# Altium PCB PCB_Organo_Prueba.PcbDoc (part 1 of 2)
Units mm, origin at the board's own origin, x right, y up, seen from the top; angles counter-clockwise.
Board outline 122.86 x 89.76 mm, 2 copper layers (Top Layer, Bottom Layer); 83 components, 115 nets, 396 pads, 122 vias.
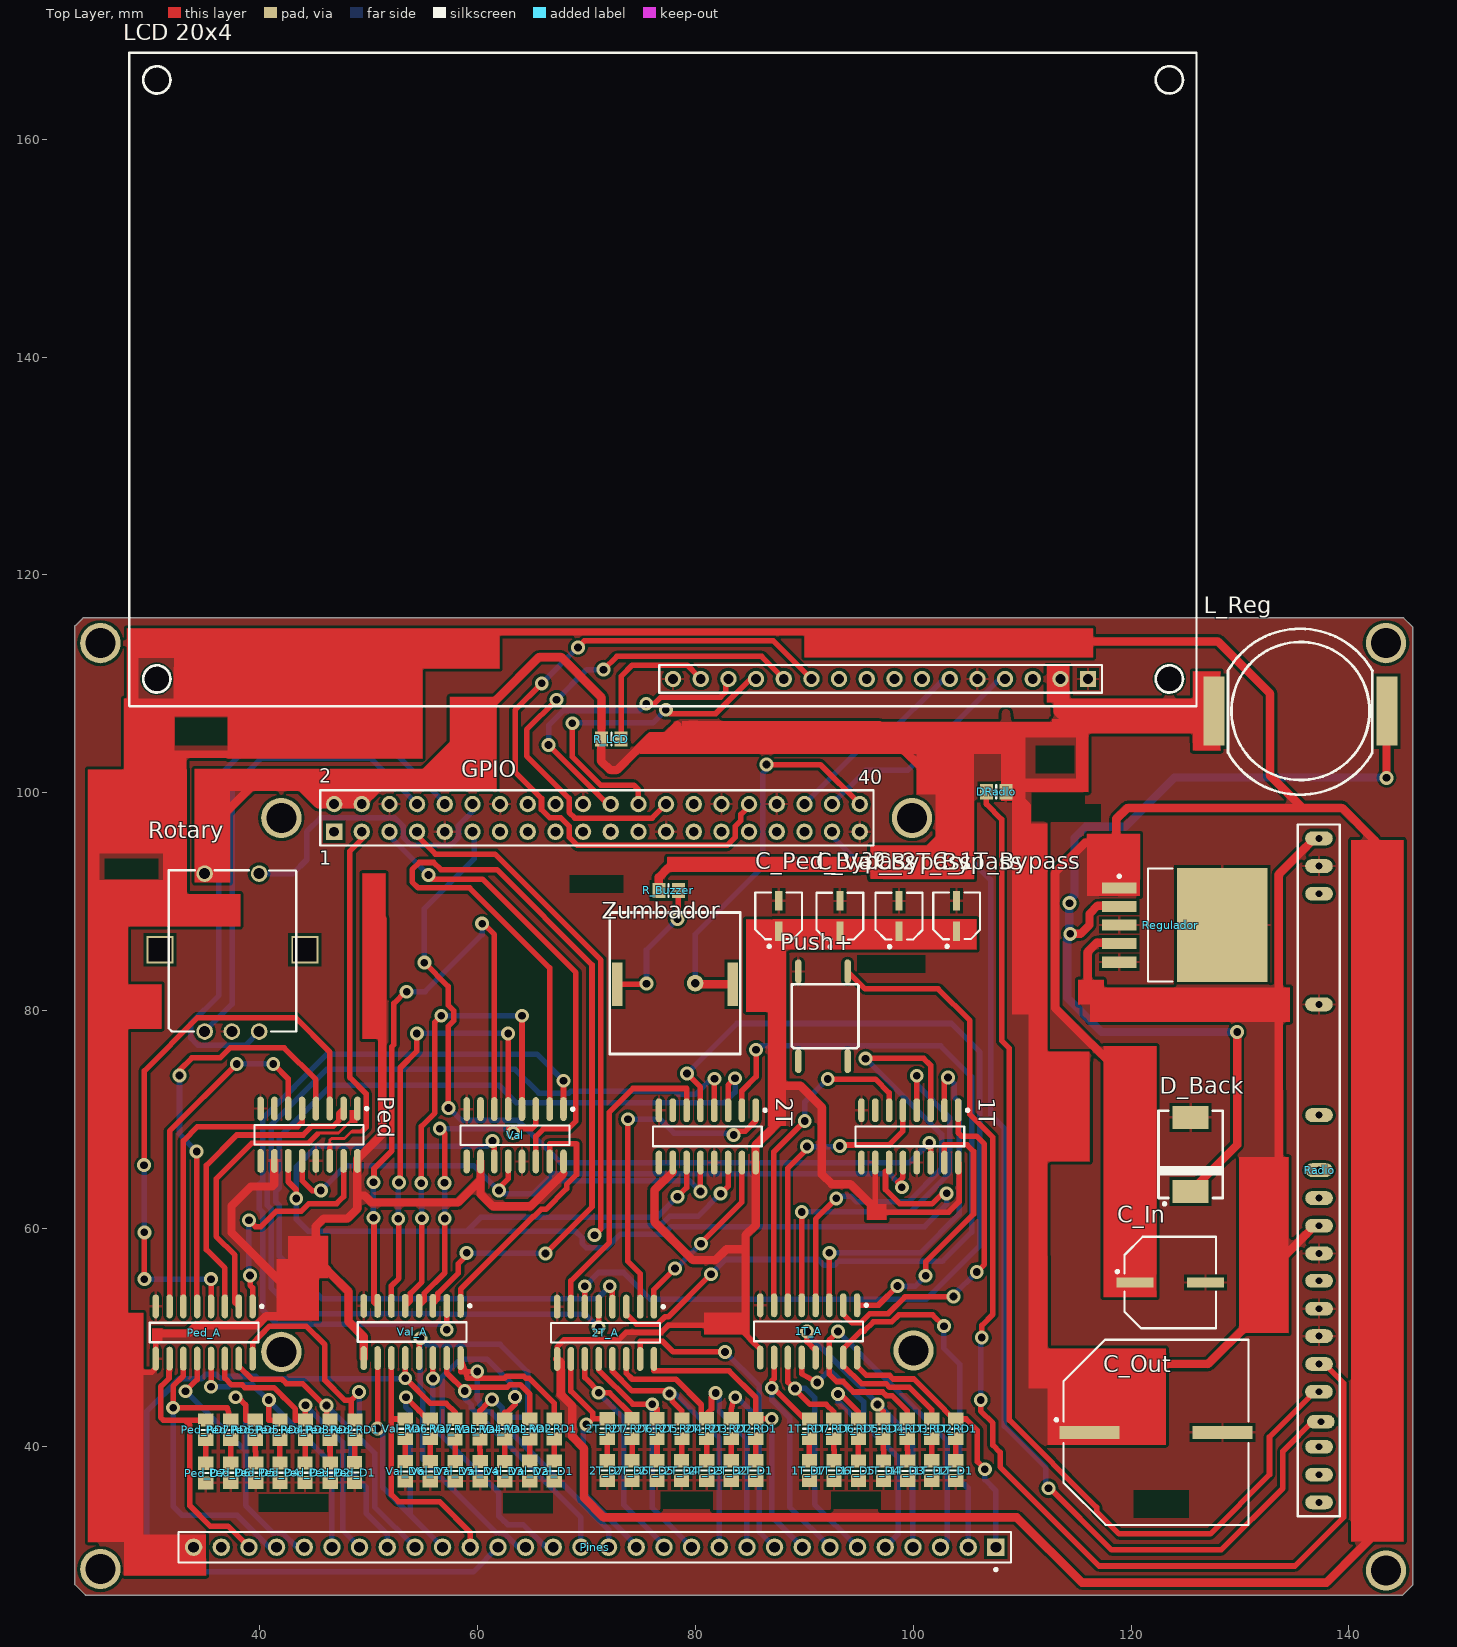
[diagram p0: Top Layer view]
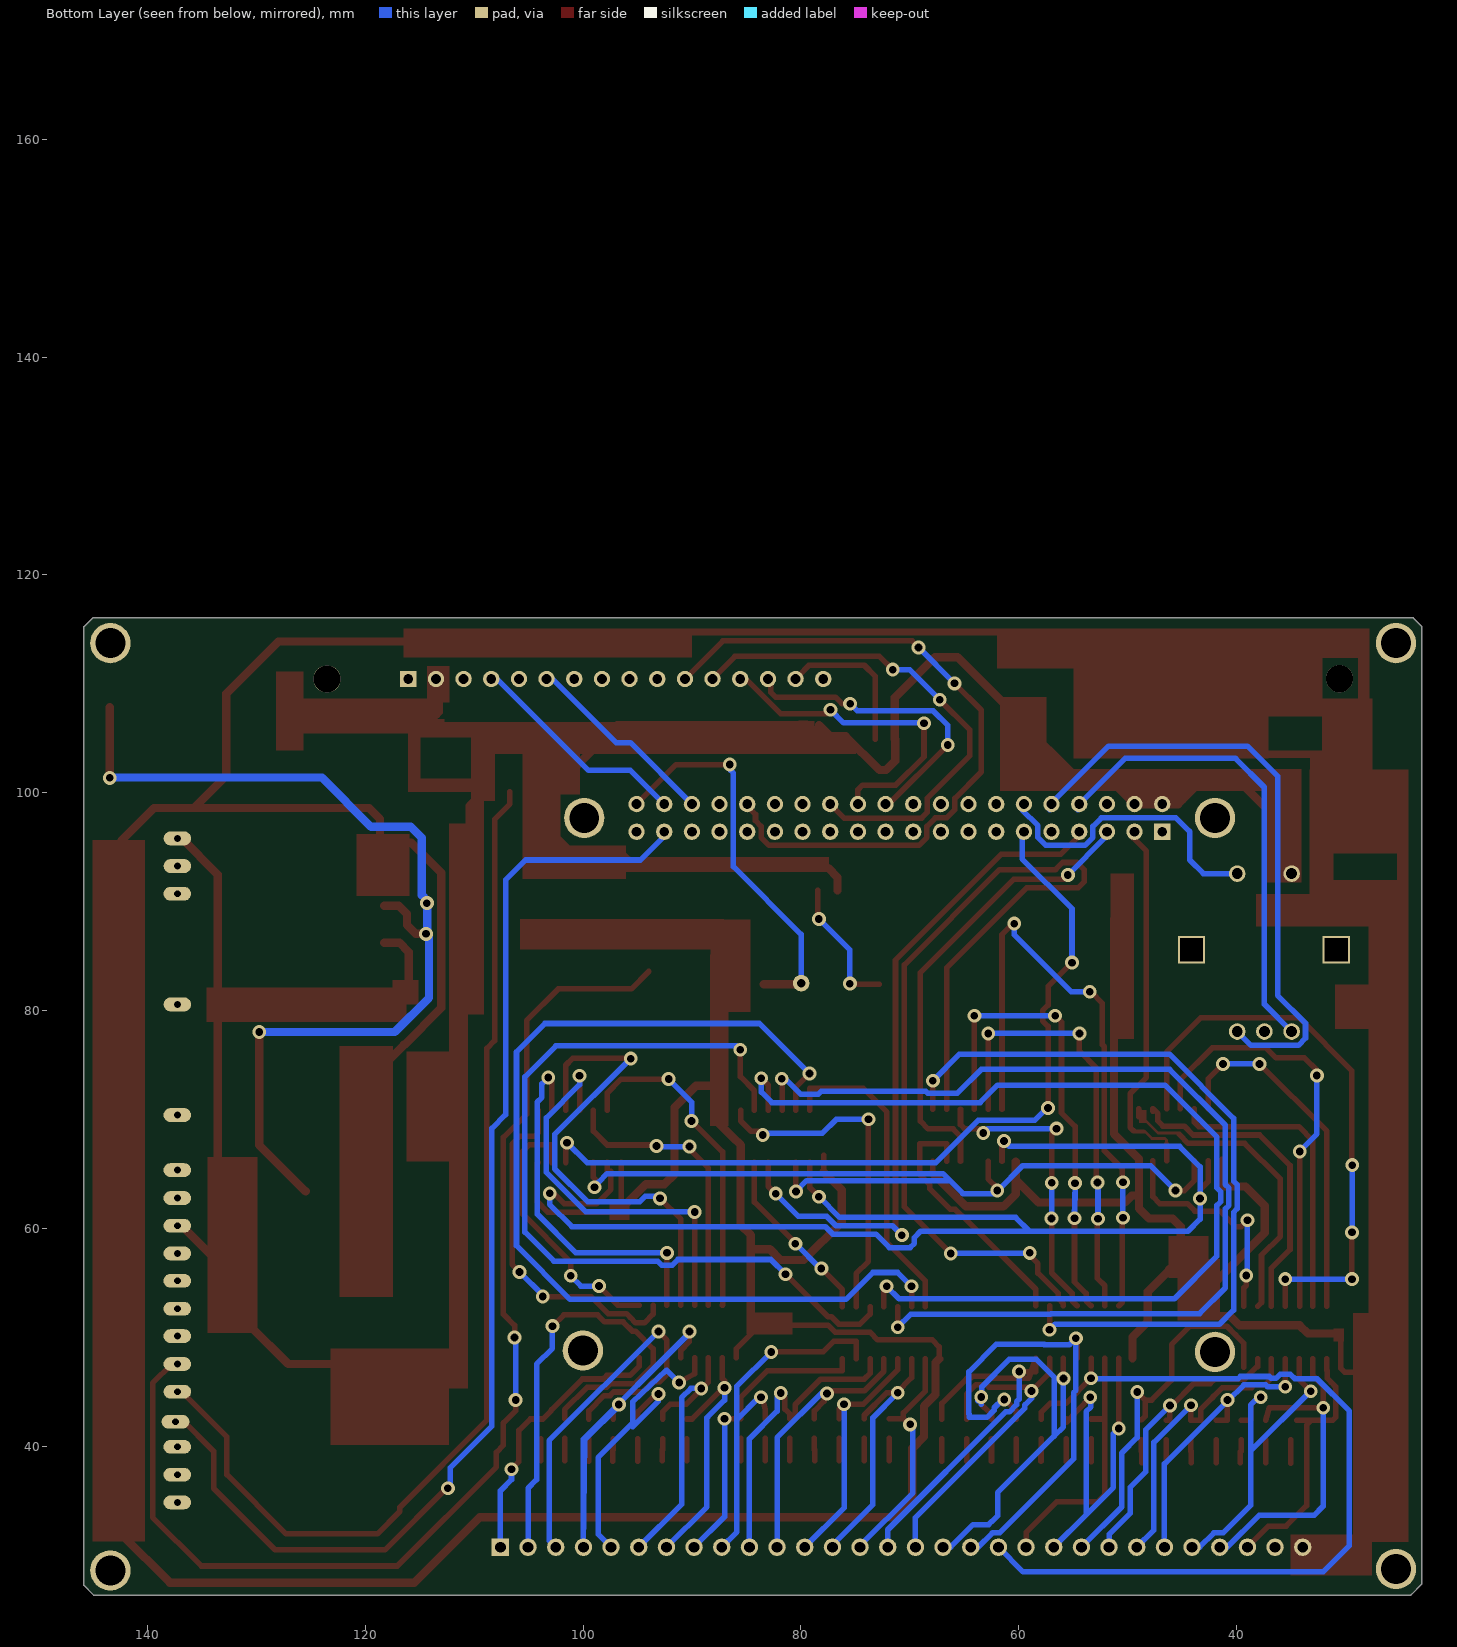
[diagram p1: Bottom Layer view, seen from below]

## Layer stack, top to bottom
Top Solder: solder mask 0.0102, Solder Resist, Dk 3.5
Top Layer: signal copper 0.0356
Dielectric 1: dielectric 0.32, FR-4, Dk 4.8
Bottom Layer: signal copper 0.0356
Bottom Solder: solder mask 0.0102, Solder Resist, Dk 3.5

## Board outline
23.044,27.309 cw(c23.115,27.38) 23.015,27.38 23.015,115.241 cw(c23.115,115.241) 23.044,115.312 23.78,116.047 cw(c23.851,115.976) 23.851,116.077 144.958,116.077 cw(c144.958,115.976) 145.029,116.047 145.842,115.235 cw(c145.771,115.164) 145.871,115.164 145.871,27.305 cw(c145.771,27.305) 145.842,27.234 144.953,26.345 cw(c144.882,26.416) 144.882,26.316 24.079,26.316 cw(c24.079,26.416) 23.988,26.375 cw(c24.028,26.467) 23.957,26.396

## Design rules (kind name [scope] priority, off if disabled: settings)
Clearance Clearance_1 [All] p1: gap=0.254
Clearance [All] p2: gap=0.254
ComponentClearance [All vs HasFootprint('Raspberry')] p1: gap=0.254 collisioncheckmode=3 verticalgap=0.254 showdistances=FALSE
PolygonConnect [All] p1: connectstyle=Relief reliefconductorwidth=0.254 reliefentries=4 polygonreliefangle="90 Angle" airgapwidth=0.254
RoutingVias [All] p1: holewidth=0.711 width=1.27 viastyle="Through Hole" minholewidth=0.711 minwidth=1.27 maxholewidth=0.711 maxwidth=1.27
SolderMaskExpansion [All] p1: expansion=0.102
Width [All] p1: maxlimit=2.54 minlimit=0.127 preferedwidth=0.508
28 further rules are at their usual default settings.

## Classes and differential pairs
component class Valvulas_Prueba: C_Val_Bypass Val Val_A Val_D1 Val_D2 Val_D3 Val_D4 Val_D5 Val_D6 Val_D7 Val_RD1 Val_RD2 Val_RD3 Val_RD4 Val_RD5 Val_RD6 Val_RD7
component class Pedal_Prueba: C_Ped_Bypass Ped Ped_A Ped_D1 Ped_D2 Ped_D3 Ped_D4 Ped_D5 Ped_D6 Ped_D7 Ped_RD1 Ped_RD2 Ped_RD3 Ped_RD4 Ped_RD5 Ped_RD6 Ped_RD7
component class GPIO_Raspberry_b+: C_In C_Out D_Back GPIO L_Reg Regulador
component class Externos_prueba: DRadio "LCD 20x4" Pines Push+ R_Buzzer R_LCD Radio Rotary Zumbador
component class 2Teclado_Prueba: 2T 2T_A 2T_D1 2T_D2 2T_D3 2T_D4 2T_D5 2T_D6 2T_D7 2T_RD1 2T_RD2 2T_RD3 2T_RD4 2T_RD5 2T_RD6 2T_RD7 C_2T_Bypass
component class 1Teclado_Prueba: 1T 1T_A 1T_D1 1T_D2 1T_D3 1T_D4 1T_D5 1T_D6 1T_D7 1T_RD1 1T_RD2 1T_RD3 1T_RD4 1T_RD5 1T_RD6 1T_RD7 C_1T_Bypass

## Components (designator, comment, footprint, x,y, rotation, side; value= is the part's Value field where it differs from the comment)
1T "SN74HC595D" SN74HC595D 99.695,68.453 r270 top
1T_A "ULN2003D" ULN2003AI 90.399,50.546 r270 top
1T_D1 "LED_SMD" LED_0805 103.911,37.77 r270 top
1T_D2 "LED_SMD" LED_0805 101.702,37.77 r270 top
1T_D3 "LED_SMD" LED_0805 99.492,37.744 r270 top
1T_D4 "LED_SMD" LED_0805 97.282,37.744 r270 top
1T_D5 "LED_SMD" LED_0805 94.971,37.744 r270 top
1T_D6 "LED_SMD" LED_0805 92.735,37.77 r270 top
1T_D7 "LED_SMD" LED_0805 90.475,37.77 r270 top
1T_RD1 "Res Chip 0805" Resistencia_0805_N 103.911,41.605 r270 top
1T_RD2 "Res Chip 0805" Resistencia_0805_N 101.702,41.62 r270 top
1T_RD3 "Res Chip 0805" Resistencia_0805_N 99.466,41.605 r270 top
1T_RD4 "Res Chip 0805" Resistencia_0805_N 97.231,41.605 r270 top
1T_RD5 "Res Chip 0805" Resistencia_0805_N 94.971,41.605 r270 top
1T_RD6 "Res Chip 0805" Resistencia_0805_N 92.71,41.605 r270 top
1T_RD7 "Res Chip 0805" Resistencia_0805_N 90.475,41.605 r270 top
2T "SN74HC595D" SN74HC595D 81.102,68.453 r270 top
2T_A "ULN2003D" ULN2003AI 71.755,50.419 r270 top
2T_D1 "LED_SMD" LED_0805 85.547,37.77 r270 top
2T_D2 "LED_SMD" LED_0805 83.287,37.77 r270 top
2T_D3 "LED_SMD" LED_0805 81.051,37.77 r270 top
2T_D4 "LED_SMD" LED_0805 78.74,37.77 r270 top
2T_D5 "LED_SMD" LED_0805 76.479,37.77 r270 top
2T_D6 "LED_SMD" LED_0805 74.193,37.77 r270 top
2T_D7 "LED_SMD" LED_0805 71.907,37.77 r270 top
2T_RD1 "Res Chip 0805" Resistencia_0805_N 85.547,41.631 r270 top
2T_RD2 "Res Chip 0805" Resistencia_0805_N 83.287,41.631 r270 top
2T_RD3 "Res Chip 0805" Resistencia_0805_N 81.026,41.631 r270 top
2T_RD4 "Res Chip 0805" Resistencia_0805_N 78.765,41.62 r270 top
2T_RD5 "Res Chip 0805" Resistencia_0805_N 76.479,41.631 r270 top
2T_RD6 "Res Chip 0805" Resistencia_0805_N 74.193,41.631 r270 top
2T_RD7 "Res Chip 0805" Resistencia_0805_N 71.907,41.631 r270 top
C_1T_Bypass "Panasonic 1uF" "Panasonic B Size" 103.988,88.697 r90 top
C_2T_Bypass "Panasonic 1uF" "Panasonic B Size" 98.704,88.671 r90 top
C_In "Panasonic 100uF" "Panasonic F Size" 123.596,55.042 r0 top
C_Out "Panasonic 1000uF" "Panasonic J16 Size" 122.3,41.282 r0 top
C_Ped_Bypass "Panasonic 1uF" "Panasonic B Size" 87.655,88.697 r90 top
C_Val_Bypass "Panasonic 1uF" "Panasonic B Size" 93.269,88.671 r90 top
D_Back "MURS320T3G" DO-214AB 125.476,66.802 r90 top
DRadio "LED_SMD" LED_0805 107.62,100.101 r180 top
GPIO "Raspberry b+" Raspberry 70.968,97.688 r0 top
L_Reg "DO-5040H-104ML_" "DO-5040H 15uH-1400uH" 135.56,107.493 r0 top
"LCD 20x4" "LCD 20x4" "LCD FORDATA 20x4" 79.756,136.373 r180 top
Ped "SN74HC595D" SN74HC595D 44.526,68.605 r270 top
Ped_A "ULN2003D" ULN2003AI 34.9,50.444 r270 top
Ped_D1 "LED_SMD" LED_0805 48.717,37.592 r270 top
Ped_D2 "LED_SMD" LED_0805 46.482,37.567 r270 top
Ped_D3 "LED_SMD" LED_0805 44.171,37.567 r270 top
Ped_D4 "LED_SMD" LED_0805 41.859,37.567 r270 top
Ped_D5 "LED_SMD" LED_0805 39.649,37.567 r270 top
Ped_D6 "LED_SMD" LED_0805 37.338,37.567 r270 top
Ped_D7 "LED_SMD" LED_0805 35.052,37.541 r270 top
Ped_RD1 "Res Chip 0805" Resistencia_0805_N 48.743,41.518 r270 top
Ped_RD2 "Res Chip 0805" Resistencia_0805_N 46.457,41.504 r270 top
Ped_RD3 "Res Chip 0805" Resistencia_0805_N 44.196,41.504 r270 top
Ped_RD4 "Res Chip 0805" Resistencia_0805_N 41.859,41.504 r270 top
Ped_RD5 "Res Chip 0805" Resistencia_0805_N 39.599,41.504 r270 top
Ped_RD6 "Res Chip 0805" Resistencia_0805_N 37.338,41.504 r270 top
Ped_RD7 "Res Chip 0805" Resistencia_0805_N 35.052,41.504 r270 top
Pines "Header 30x1" "Header 1X30" 107.594,30.734 r180 top
Push+ "Pulsador" Pulsador 90.526,86.741 r270 top
R_Buzzer "Res Chip 0805" Resistencia_0805_N 77.546,91.034 r0 top
R_LCD "Res Chip 0805" Resistencia_0805_N 72.288,104.927 r180 top
Radio "HIRK-433A RADIO MODULE" "HIRK-433A Radio Module" 146.456,65.329 r0 top
Regulador "LM2576HVSX-5.0/NOPB" TS5B_N_ 124.917,87.859 r0 top
Rotary "Rotary Encoder" RotaryPCB 34.95,78.08 r0 top
Val "SN74HC595D" SN74HC595D 63.449,68.555 r270 top
Val_A "ULN2003D" ULN2003AI 54,50.495 r270 top
Val_D1 "LED_SMD" LED_0805 67.056,37.73 r270 top
Val_D2 "LED_SMD" LED_0805 64.795,37.73 r270 top
Val_D3 "LED_SMD" LED_0805 62.509,37.719 r270 top
Val_D4 "LED_SMD" LED_0805 60.249,37.719 r270 top
Val_D5 "LED_SMD" LED_0805 57.963,37.719 r270 top
Val_D6 "LED_SMD" LED_0805 53.365,37.694 r270 top
Val_D7 "LED_SMD" LED_0805 55.651,37.694 r270 top
Val_RD1 "Res Chip 0805" Resistencia_0805_N 67.056,41.591 r270 top
Val_RD2 "Res Chip 0805" Resistencia_0805_N 64.795,41.591 r270 top
Val_RD3 "Res Chip 0805" Resistencia_0805_N 62.509,41.58 r270 top
Val_RD4 "Res Chip 0805" Resistencia_0805_N 60.223,41.58 r270 top
Val_RD5 "Res Chip 0805" Resistencia_0805_N 57.937,41.58 r270 top
Val_RD6 "Res Chip 0805" Resistencia_0805_N 53.365,41.605 r270 top
Val_RD7 "Res Chip 0805" Resistencia_0805_N 55.651,41.605 r270 top
Zumbador "Buzzer" Buzzer 78.232,83.21 r0 top

## Footprints (in the part's own frame and the unit in brackets; to place one, negate y for a bottom-side part, rotate by r counter-clockwise, add the part's x,y. Pads: shape width x height; smd on the part's side, far side on the other; paste and mask are expansions set on the pad)
Buzzer [mm]
  rect 1x4 smd: 1(5.2,-0.8) 2(-5.4,-0.8)
  silkscreen extent -6.1,-7.2 5.9,5.8, body extent -6.05,-6.68 5.95,5.32, height 3.07
DO-214AB [mm]
  rect 2.1x3.3 smd: A(3.4,0) K(-3.4,0)
  silkscreen extent -4.67,-2.95 4,2.95, body extent -3.97,-2.95 3.97,2.95, height 2.27
"DO-5040H 15uH-1400uH" [mm] "Bobina coilcraft SMD DO-5040H válido para 15uH hasta 1400uH"
  rect 1.9x6.35 smd: 1(-7.95,0) 2(7.95,0)
  silkscreen extent -6.66,-7.67 6.6,7.57, body extent -9.14,-7.37 9.4,7.37, height 11.97
"Header 1X30" [mm]
  rect 1.6x1.6 hole 0.99: 1(0,0)
  round 1.6 hole 0.99: 2(2.54,0) 3(5.08,0) 4(7.62,0) 5(10.16,0) 6(12.7,0) 7(15.24,0) 8(17.78,0) 9(20.32,0) 10(22.86,0) 11(25.4,0) 12(27.94,0) 13(30.48,0) 14(33.02,0) 15(35.56,0) 16(38.1,0) 17(40.64,0) 18(43.18,0) 19(45.72,0) 20(48.26,0) 21(50.8,0) 22(53.34,0) 23(55.88,0) 24(58.42,0) 25(60.96,0) 26(63.5,0) 27(66.04,0) 28(68.58,0) 29(71.12,0) 30(73.66,0)
  silkscreen extent -1.4,-1.4 75.06,2.17, body extent -1.39,-3.21 74.81,2.87, height 10.19
"HIRK-433A Radio Module" [mil] "CFP, 54-Leads, Body 63,50x14,50mm (max), Pitch 2,54mm, IPC Medium Density"
  oval 100x50 hole 25: 1(-362.2,1200) 2(-362.2,1100) 3(-362,1000) 7(-362.2,600) 11(-362,200) 13(-362,1) 14(-362,-100) 15(-362,-200) 16(-362,-300) 17(-362,-399) 18(-362,-500) 19(-362,-599) 20(-362,-700) 21(-362.2,-800) 22(-355.5,-908.5) 23(-362,-999) 24(-362,-1100) 25(-362,-1200)
  silkscreen extent -439,-1250 -287,1250, body extent -558,-1208 -312,1204, height 753
"LCD FORDATA 20x4" [mm] "LCD 4x20"
  rect 1.5x1.5 hole 0.9: 1(-36.297,25.923)
  round 1.5 hole 0.9: 2(-33.757,25.923) 3(-31.217,25.923) 4(-28.677,25.923) 5(-26.137,25.923) 6(-23.597,25.923) 7(-21.057,25.923) 8(-18.517,25.923) 9(-15.977,25.923) 10(-13.437,25.923) 11(-10.897,25.923) 12(-8.357,25.923) 13(-5.817,25.923) 14(-3.277,25.923) 15(-0.737,25.923) 16(1.803,25.923)
  silkscreen extent -46.27,-31.58 51.73,28.42, body extent -46.27,-31.58 51.74,28.42, height 2.2
LED_0805 [mm]
  rect 1.2x1.4 smd: 1(-0.9,0) 2(0.9,0)
  silkscreen extent 0,-0.6 0,0.6, body extent -1.05,-0.67 1.05,0.68, height 0.9
"Panasonic B Size" [mm] "Molded Capacitor, 2-Leads, Body 4,30x4,30mm, IPC Medium Density"
  rect 1.8x0.65 smd: 1(-1.4,0) 2(1.4,0)
  silkscreen extent -2.92,-2.15 2.15,2.15, body extent -2.3,-2.16 2.3,2.14, height 5.4
"Panasonic F Size" [mm] "Molded Capacitor, 2-Leads, Body 8,30x8,30mm, IPC Medium Density"
  rect 3.4x0.9 smd: 1(-3.25,0) 2(3.25,0)
  silkscreen extent -4.97,-4.2 4.2,4.2, body extent -4.94,-4.11 4.96,4.19, height 10.2
"Panasonic J16 Size" [mm] "Molded Capacitor, 2-Leads, Body 17,00x17,00mm, IPC Medium Density"
  rect 5.5x1.2 smd: 1(-6.1,0) 2(6.1,0)
  silkscreen extent -9.27,-8.5 8.5,8.5, body extent -8.89,-8.49 8.81,8.51, height 16.5
Pulsador [mm]
  oval 2.2x0.6 smd: 1(3.15,3.454) 2(11.379,3.454) 3(3.15,-1.067) 4(11.379,-1.067)
  silkscreen extent 4.32,-1.68 10.19,4.45, body extent 3.34,-1.93 11.34,4.57, height 4.3
Raspberry [mm] "Connector; Header; 20x2 Position"
  rect 1.5x1.5 hole 0.9: 1(-24.13,-1.27)
  round 1.5 hole 0.9: 2(-24.13,1.27) 3(-21.59,-1.27) 4(-21.59,1.27) 5(-19.05,-1.27) 6(-19.05,1.27) 7(-16.51,-1.27) 8(-16.51,1.27) 9(-13.97,-1.27) 10(-13.97,1.27) 11(-11.43,-1.27) 12(-11.43,1.27) 13(-8.89,-1.27) 14(-8.89,1.27) 15(-6.35,-1.27) 16(-6.35,1.27) 17(-3.81,-1.27) 18(-3.81,1.27) 19(-1.27,-1.27) 20(-1.27,1.27) 21(1.27,-1.27) 22(1.27,1.27) 23(3.81,-1.27) 24(3.81,1.27) 25(6.35,-1.27) 26(6.35,1.27) 27(8.89,-1.27) 28(8.89,1.27) 29(11.43,-1.27) 30(11.43,1.27) 31(13.97,-1.27) 32(13.97,1.27) 33(16.51,-1.27) 34(16.51,1.27) 35(19.05,-1.27) 36(19.05,1.27) 37(21.59,-1.27) 38(21.59,1.27) 39(24.13,-1.27) 40(24.13,1.27)
  silkscreen extent -25.4,-2.54 25.4,2.54, body extent -34.64,-54.66 54.98,3.64, height 11.3
Resistencia_0805_N [mm] "Chip Resistor, Body 2.0x1.2mm, IPC Medium Density"
  rect 1.2x1.4 smd: 1(-0.9,0) 2(0.9,0)
  silkscreen extent 0,-0.6 0,0.6, body extent -0.97,-0.62 1.03,0.63, height 0.78
RotaryPCB [mm]
  round 1.524 hole 1: A(0,0) B(5,0) C(2.5,0) D(0,14.5) E(5,14.5)
  rect 2.5x2.5 hole 2.1 square unplated: ""(-4.1,7.5) ""(9.2,7.5)
  silkscreen extent -3.3,0 8.4,14.81, body extent -4.93,-1.51 10.07,16.49, height 24.5
SN74HC595D [mm] "SOIC, 16-Leads, Body 9.9x3.9mm, Pitch 1.27mm, IPC Medium Density"
  oval 2.2x0.6 smd: 1(-2.4,4.445) 2(-2.4,3.175) 3(-2.4,1.905) 4(-2.4,0.635) 5(-2.4,-0.635) 6(-2.4,-1.905) 7(-2.4,-3.175) 8(-2.4,-4.445) 9(2.4,-4.445) 10(2.4,-3.175) 11(2.4,-1.905) 12(2.4,-0.635) 13(2.4,0.635) 14(2.4,1.905) 15(2.4,3.175) 16(2.4,4.445)
  silkscreen extent -2.52,-5 0.9,5.42, body extent -3.1,-4.92 2.9,4.98, height 1.45
TS5B_N_ [mm] "D2-PAK, 6-Leads, Body 8.6x10.2mm, Pitch 1.7mm, Lead Span 14.1mm, IPC Medium Density"
  rect 3.2x1.05 smd: 1(-6,3.4) 2(-6,1.7) 3(-6,0) 4(-6,-1.7) 5(-6,-3.4)
  rect 8.3x10.45 smd: 6(3.45,0)
  silkscreen extent -6.12,-5.2 -1.1,5.2, body extent -7.52,-5.03 7.54,5.13, height 2.05
ULN2003AI [mm] "SOIC, 16-Leads, Body 9.9x3.9mm, Pitch 1.27mm, IPC Medium Density"
  oval 2.2x0.6 smd: 1(-2.4,4.445) 2(-2.4,3.175) 3(-2.4,1.905) 4(-2.4,0.635) 5(-2.4,-0.635) 6(-2.4,-1.905) 7(-2.4,-3.175) 8(-2.4,-4.445) 9(2.4,-4.445) 10(2.4,-3.175) 11(2.4,-1.905) 12(2.4,-0.635) 13(2.4,0.635) 14(2.4,1.905) 15(2.4,3.175) 16(2.4,4.445)
  silkscreen extent -2.52,-5 0.9,5.42, body extent -3.13,-4.92 2.87,4.98, height 1.45

## Part data
1T 2T Ped Val: "8-Bit Shift Register with 3-State Output Registers"
1T_A 2T_A Ped_A Val_A: "Seven Darlington Array"
1T_D1 1T_D2 1T_D3 1T_D4 1T_D5 1T_D6 1T_D7 2T_D1 2T_D2 2T_D3 2T_D4 2T_D5 2T_D6 2T_D7 DRadio Ped_D1 Ped_D2 Ped_D3 Ped_D4 Ped_D5 Ped_D6 Ped_D7 Val_D1 Val_D2 Val_D3 Val_D4 Val_D5 Val_D6 Val_D7: "LED SMD"
1T_RD1 1T_RD2 1T_RD3 1T_RD4 1T_RD5 1T_RD6 1T_RD7 2T_RD1 2T_RD2 2T_RD3 2T_RD4 2T_RD5 2T_RD6 2T_RD7 Ped_RD1 Ped_RD2 Ped_RD3 Ped_RD4 Ped_RD5 Ped_RD6 Ped_RD7 R_Buzzer R_LCD Val_RD1 Val_RD2 Val_RD3 Val_RD4 Val_RD5 Val_RD6 Val_RD7: library part Resistencia
C_1T_Bypass C_2T_Bypass C_In C_Out C_Ped_Bypass C_Val_Bypass: "Condensador Electrolítico SMD"
D_Back: "Surface Mount Schottky-Rectifiers"
L_Reg: library part Inductor, "Inductor"
Regulador: "SIMPLE SWITCHER® 3A Step-Down Voltage Regulator, 5-pin TO-263, Pb-Free"

## Free pads (board coordinates)
  round 3.7 hole 2.75: 0(25.375,28.727) 0(25.375,113.741) 0(41.986,48.666) 0(41.986,97.688) 0(99.898,97.688) 0(100.025,48.793) 0(143.408,28.6) 0(143.408,113.741)
  round 2.5 hole 2.5: 0(30.556,110.465) 0(123.52,110.439)
  round 1.524 hole 0.762: 1(79.985,82.525)

## Via types
v1: diameter 1.27, hole 0.711, Top Layer to Bottom Layer, 122 vias

## Nets (pads, with @x,y where several pads share a name; then routed paths per layer and width w, separated by ;. In a path a pad name is that pad's centre, name@x,y a point inside that pad or via, vN(x,y) a via of type N, cw(c..) or ccw(c..) an arc to the next point about the centre after c; other vN are vias at no path point)
5V: "LCD 20x4.2" C_Out.1 DRadio.1 GPIO.2 GPIO.4 L_Reg.1 R_Buzzer.1 R_LCD.2 Radio.1 Radio.15 Regulador.4 Rotary.D | length 237.6
  Top Layer w0.762: Rotary.D@34.95,92.58 34.95,96.241 39.497,100.787 43.536,100.787 45.364,98.958 GPIO.2@46.838,98.958 ; 46.838,100.584 GPIO.2@46.838,98.958 ; 47.32,101.067 47.346,101.041 47.346,100.99 GPIO.4@49.378,98.958 ; 59.512,106.197 55.118,101.803 52.222,101.803 GPIO.4@49.378,98.958 ; 59.995,106.807 65.634,112.446 67.691,112.446 71.388,108.748 R_LCD.2@71.388,104.927 71.349,104.888 71.349,102.921 72.187,102.083 72.796,102.083 75.895,105.181 77.305,105.181 78.34,106.216 ; R_Buzzer.1@76.646,91.034 76.646,92.242 77.495,93.091 95.165,93.091 96.79,94.717 101.321,94.717 103.099,96.495 103.099,97.46 ; 81.026,106.197 96.876,106.197 102.921,100.152 ; 108.52,105.969 DRadio.1@108.52,100.101 109.118,100.101 110.439,98.781 110.439,96.469 111.049,95.86 ; 113.261,110.74 113.261,107.414 113.513,107.163 ; 118.059,41.986 120.346,41.986 ; Regulador.4@118.257,86.235 116.867,86.235 116.022,85.389 116.022,81.362 116.713,80.67 129.482,80.67 129.507,80.645 133.477,80.645 133.553,80.721 ; 122.174,47.549 127.076,47.549 130.683,51.156 130.683,54.077 132.461,55.855 ; 132.461,54.94 132.461,55.855 ; Radio.15@136.881,60.274 132.461,55.855 ; Radio.1@136.886,95.834 133.553,92.502 133.553,80.721 ; GPIO.2@46.838,98.958 GPIO.4@49.378,98.958 ; 132.461,55.855 133.553,56.947 133.553,80.721
  Top Layer w1.27: 112.497,47.549 118.059,41.986
12V: 1T.10 1T.16 1T_A.9 2T.10 2T.16 2T_A.9 C_1T_Bypass.1 C_2T_Bypass.1 C_In.1 C_Ped_Bypass.1 C_Val_Bypass.1 Ped.10 Ped.16 Ped_A.9 Pines.30 Regulador.1 Val.10 Val.16 Val_A.9 | length 490.9
  Top Layer w0.508: 26.899,32.588 28.626,30.861 27.965,30.861 28.092,30.734 Pines.30@33.934,30.734 ; 28.931,46.787 30.074,46.787 30.455,47.168 Ped_A.9@30.455,48.044 30.455,50.114 30.81,50.47 ; 41.148,63.856 41.351,64.059 ; Ped.16@48.971,66.205 Ped.16@48.971,66.396 ; 67.285,64.465 67.297,64.465 ; 2T_A.9@67.31,48.019 67.31,49.133 67.945,49.768 72.956,49.768 73.637,50.449 76.85,50.449 77.532,51.13 83.769,51.13 85.954,48.946 1T_A.9@85.954,48.146 ; Val.16@67.894,65.062 Val.16@67.894,66.155 ; 2T.10@77.927,65.201 2T.10@77.927,66.053 2T.10@77.927,66.726 ; 84.633,51.003 84.633,56.947 ; 96.52,61.062 96.52,61.773 1T.10@96.52,66.053 ; 97.171,61.712 97.39,61.493 103.256,61.493 104.216,62.454 104.216,65.977 1T.16@104.14,66.053
  Top Layer w0.762: 26.492,52.476 28.651,50.317 28.651,47.066 28.931,46.787 ; 30.967,50.347 33.456,50.347 34.218,51.109 39.732,51.109 40.591,51.968 42.926,51.968 ; 41.148,63.856 39.192,63.856 37.414,62.078 37.414,59.614 42.164,54.864 ; 41.351,64.059 Ped.10@41.351,66.205 ; 44.653,56.286 44.679,56.261 46.177,56.261 46.177,56.185 48.158,54.204 48.158,51.435 49.555,50.038 Val_A.9@49.555,48.095 ; 44.958,58.623 45.136,58.801 45.136,60.173 45.872,60.909 48.057,60.909 48.971,61.824 Ped.16@48.971,66.205 ; 45.009,57.125 45.009,57.201 ; Ped.16@48.971,66.396 51.257,68.682 51.257,88.443 51.054,88.646 ; 49.047,63.017 49.632,63.017 50.267,62.382 58.191,62.382 60.274,64.465 ; Val.10@60.274,66.155 60.274,64.465 ; 2T_A.9@67.31,48.019 67.645,47.684 67.645,44.748 68.707,43.686 68.707,40.876 69.774,39.809 69.774,35.281 71.577,33.477 109.499,33.477 115.494,27.483 137.947,27.483 142.367,31.902 142.367,95.631 139.395,98.603 135.738,98.603 ; Val.16@67.894,65.062 67.297,64.465 64.859,62.027 61.417,62.027 60.274,63.17 60.274,64.465 ; 2T.10@77.927,65.201 76.251,63.524 76.251,60.604 79.756,57.099 81.864,57.099 82.855,58.09 84.607,58.09 ; 84.607,51.054 84.607,58.09 ; 86.309,68.402 86.284,68.402 ; 87.833,76.708 87.833,73.101 ; 96.876,61.417 96.52,61.773 94.234,64.059 92.532,64.059 91.618,64.973 91.618,71.12 89.637,73.101 87.833,73.101 ; 115.265,113.894 127.991,113.894 132.766,109.118 132.766,101.575 135.738,98.603 ; 117.399,95.402 115.773,95.402 113.03,92.659 113.03,80.239 116.408,76.86 116.468,76.86 119.964,73.364 119.964,55.424 C_In.1@120.346,55.042 ; Regulador.1@118.257,91.335 118.257,92.441 118.643,92.828 118.643,97.587 119.634,98.577 119.659,98.577 119.685,98.603 135.738,98.603 ; 84.607,58.09 84.607,59.385 85.547,60.325 2T.16@85.547,66.053 85.522,66.078 85.522,67.64 86.284,68.402 ; 86.284,68.402 87.833,69.952 87.833,73.101
GND: 1T.8 1T.13 1T_A.8 1T_D1.2 1T_D2.2 1T_D3.2 1T_D4.2 1T_D5.2 1T_D6.2 1T_D7.2 2T.8 2T.13 2T_A.8 2T_D1.2 2T_D2.2 2T_D3.2 2T_D4.2 2T_D5.2 2T_D6.2 2T_D7.2 "LCD 20x4.1" "LCD 20x4.5" "LCD 20x4.16" C_1T_Bypass.2 C_2T_Bypass.2 C_In.2 C_Out.2 C_Ped_Bypass.2 C_Val_Bypass.2 D_Back.A GPIO.6 GPIO.9 GPIO.14 GPIO.20 GPIO.25 GPIO.30 GPIO.34 GPIO.39 Ped.8 Ped.13 Ped_A.8 Ped_D1.2 Ped_D2.2 Ped_D3.2 Ped_D4.2 Ped_D5.2 Ped_D6.2 Ped_D7.2 Push+.3 Radio.2 Radio.7 Radio.16 Radio.18 Radio.19 Regulador.3 Regulador.5 Regulador.6 Rotary.C Val.8 Val.13 Val_A.8 Val_D1.2 Val_D2.2 Val_D3.2 Val_D4.2 Val_D5.2 Val_D6.2 Val_D7.2
Net1T_1: 1T.1 1T_A.2 | length 32.1
  Top Layer w0.508: 1T_A.2@93.574,52.946 93.574,52.146 94.382,51.338 95.178,51.338 95.652,51.811 96.024,52.184 97.712,52.184 99.249,53.721 v1@103.53,53.721 ; v1(103.708,53.746) v1@103.708,53.873 ; 1T.1@104.14,70.853 104.14,68.766 104.437,68.469 105.811,68.469 106.528,67.753 106.528,56.693 v1(105.842,56.007)
  Bottom Layer w0.508: v1@103.708,53.873 v1(105.842,56.007)
Net1T_2: 1T.2 1T_A.3 | length 34.3
  Top Layer w0.508: 1T_A.3@92.304,52.946 v1(92.304,57.76) ; 1T.2@102.87,70.853 102.87,73.533 v1(103.2,73.863)
  Bottom Layer w0.508: v1(92.304,57.76) 100.66,57.76 104.216,61.316 104.216,71.603 103.784,72.034 103.784,73.279 v1(103.2,73.863)
Net1T_3: 1T.3 1T_A.4 | length 45.3
  Top Layer w0.508: 1T_A.4@91.034,52.946 91.034,60.858 v1(92.939,62.763) ; v1(95.631,75.59) 95.656,75.616 100.965,75.616 101.6,74.981 1T.3@101.6,70.853
  Bottom Layer w0.508: v1(92.939,62.763) 93.142,62.967 94.285,62.967 94.818,62.433 99.568,62.433 102.616,65.481 102.616,68.631 95.631,75.616 v1(95.631,75.59)
Net1T_4: 1T.4 1T_A.5 | length 37
  Top Layer w0.508: 1T_A.5@89.764,52.946 v1(89.764,61.519) ; 1T.4@100.33,70.853 v1(100.33,74.016)
  Bottom Layer w0.508: v1(89.764,61.519) 99.746,61.519 103.378,65.151 103.378,70.155 100.33,73.203 v1(100.33,74.016)
Net1T_5: 1T.5 1T_A.6 | length 26.6
  Top Layer w0.508: 1T_A.6@88.494,52.946 88.494,65.532 90.246,67.285 v1(90.246,67.513) ; v1@93.218,67.513 v1(93.269,67.564) 93.366,67.661 97.785,67.661 ; 97.79,67.666 99.06,68.936 1T.5@99.06,70.853
  Bottom Layer w0.508: v1(90.246,67.513) v1@93.218,67.513
Net1T_6: 1T.6 1T_A.7 | length 30.6
  Top Layer w0.508: 1T_A.7@87.224,52.946 87.198,52.971 87.198,67.031 v1(90.043,69.875) ; v1(92.151,73.711) 96.52,73.711 97.79,72.441 1T.6@97.79,70.853
  Bottom Layer w0.508: v1(90.043,69.875) 90.043,71.603 v1(92.151,73.711)
Net1T_7: 1T.7
Net1T_11: 1T.11 2T.11 Ped.11 Val.11 | length 126.7
  Top Layer w0.508: Ped.11@42.621,66.205 42.621,64.287 43.358,63.551 v1(43.358,62.738) ; v1(61.366,68.021) 61.544,67.843 Val.11@61.544,66.155 ; v1(78.359,62.916) 79.197,63.754 2T.11@79.197,66.053 ; 1T.11@97.79,66.053 97.79,65.253 97.46,65.253 97.46,63.576 98.781,62.255 101.727,62.255 102.692,63.221 v1(103.073,63.221)
  Bottom Layer w0.508: v1(61.366,68.021) 60.884,67.539 45.237,67.539 43.358,65.659 v1(43.358,62.738) 43.358,60.858 44.475,59.741 59.03,59.741 ; v1(78.359,62.916) 76.454,61.011 60.3,61.011 59.03,59.741 ; v1@103.073,63.195 103.073,62.205 101.041,60.173 77.771,60.173 77.085,59.487 73.127,59.487 71.882,58.242 69.977,58.242 69.596,58.623 69.596,59.157 69.012,59.741 59.03,59.741
Net1T_12: 1T.12 2T.12 Ped.12 Val.12 | length 82.3
  Top Layer w0.508: Ped.12@43.891,66.205 43.891,64.389 44.806,63.475 v1(45.618,63.475) ; v1(61.976,63.475) 61.976,63.703 62.814,64.541 Val.12@62.814,66.155 ; v1(80.467,63.398) 2T.12@80.467,66.053 ; v1@98.603,64.237 99.06,64.694 1T.12@99.06,66.053
  Bottom Layer w0.508: v1(45.618,63.475) 47.904,65.761 59.639,65.761 61.925,63.475 v1(61.976,63.475) 62.255,63.195 65.126,63.195 66.319,64.389 ; v1(80.467,63.398) 79.477,64.389 66.319,64.389 ; v1@98.603,64.237 97.807,65.032 66.962,65.032 66.319,64.389
  other v1: 98.958,63.779
Net1T_14: 1T.14 GPIO.11 | length 77.2
  Top Layer w0.508: v1(55.118,84.404) 57.302,82.22 57.302,80.509 57.81,80.001 57.81,79.054 57.302,78.546 57.302,70.971 57.401,71.069 v1(57.328,71.069) ; v1(101.473,67.869) 101.6,67.742 1T.14@101.6,66.053
  Bottom Layer w0.508: v1(55.118,84.404) 55.118,89.357 59.69,93.929 GPIO.11@59.69,95.885 ; v1(57.328,71.069) 57.401,71.069 58.544,69.926 63.729,69.926 67.615,66.04 99.644,66.04 v1(101.473,67.869)
Net1T_15: 1T.15 1T_A.1 | length 25.2
  Top Layer w0.508: 1T_A.1@94.844,52.946 96.837,52.946 96.837,52.997 v1(98.552,54.712) ; v1(101.143,55.651) 101.143,56.921 105.537,61.315 105.537,67.081 104.953,67.666 102.87,67.666 1T.15@102.87,66.053
  Bottom Layer w0.508: v1(98.552,54.712) 100.203,54.712 v1(101.143,55.651)
Net1T_A_10: 1T_A.10 1T_RD7.1 Pines.7 | length 24.3
  Top Layer w0.508: v1(87.02,45.364) 87.02,45.999 87.224,46.203 1T_A.10@87.224,48.146 ; v1@87.084,45.428 90.007,42.505 1T_RD7.1@90.475,42.505
  Bottom Layer w0.508: v1(87.02,45.364) 87.02,44.247 88.367,42.901 ; 88.367,42.875 88.367,42.901 ; Pines.7@92.354,30.734 88.646,34.442 88.646,42.621 88.367,42.901
Net1T_A_11: 1T_A.11 1T_RD6.1 Pines.6 | length 25.8
  Top Layer w0.508: 1T_A.11@88.494,48.146 88.494,45.898 90.538,43.853 92.011,43.853 92.71,43.155 1T_RD6.1@92.71,42.505
  Bottom Layer w0.508: v1(89.154,45.314) 90.103,45.314 90.957,44.459 90.957,34.671 Pines.6@94.894,30.734
Net1T_A_12: 1T_A.12 1T_RD5.1 Pines.5 | length 31.7
  Top Layer w0.508: 1T_A.12@89.764,48.146 89.764,46.66 v1(91.186,45.847) ; v1(93.091,44.806) 93.32,44.806 94.971,43.155 1T_RD5.1@94.971,42.505
  Bottom Layer w0.508: v1(91.186,45.847) 92.329,46.99 95.453,44.07 95.453,42.126 ; v1(93.091,44.806) 93.091,44.145 95.453,41.783 95.453,42.126 ; Pines.5@97.434,30.734 98.628,31.928 98.628,38.951 95.453,42.126
Net1T_A_13: 1T_A.13 1T_RD4.1 Pines.4 | length 42.9
  Top Layer w0.508: v1(90.246,50.546) 90.246,49.606 91.034,48.819 1T_A.13@91.034,48.146 ; v1(96.723,43.84) 96.596,43.84 97.231,43.205 1T_RD4.1@97.231,42.505
  Bottom Layer w0.508: v1@90.17,50.47 99.974,40.665 99.873,40.564 ; v1(96.723,43.84) 96.596,43.84 99.873,40.564 ; 99.873,40.564 99.974,40.462 Pines.4@99.974,30.734 99.873,40.564
Net1T_A_14: 1T_A.14 1T_RD3.1 Pines.3 | length 37.8
  Top Layer w0.508: v1(93.091,50.546) 92.304,49.759 1T_A.14@92.304,48.146 92.304,46.609 92.964,45.949 93.564,45.949 94.234,45.279 94.234,45.263 94.513,44.983 97.197,44.983 97.527,44.653 98.069,44.653 99.466,43.256 1T_RD3.1@99.466,42.505
  Bottom Layer w0.508: v1(93.091,50.546) 103.124,40.513 103.124,31.344 Pines.3@102.514,30.734
Net1T_A_15: 1T_A.15 1T_RD2.1 Pines.2 | length 44.4
  Top Layer w0.508: 1T_RD2.1@101.702,42.52 101.702,43.358 99.644,45.415 97.842,45.415 97.512,45.745 95.256,45.745 93.574,47.428 1T_A.15@93.574,48.146 93.574,48.946 95.204,50.576 95.494,50.576 96.34,51.422 98.027,51.422 98.675,52.07 100.863,52.07 101.778,52.07 v1(102.819,51.029)
  Bottom Layer w0.508: v1(102.819,51.029) 102.819,48.997 104.271,47.545 104.271,36.932 105.054,36.148 Pines.2@105.054,30.734
Net1T_A_16: 1T_A.16 1T_RD1.1 Pines.1 | length 25.7
  Top Layer w0.508: 1T_A.16@94.844,48.146 94.844,47.364 95.7,46.507 97.828,46.507 98.158,46.177 100.062,46.177 102.91,43.33 102.91,43.293 103.697,42.505 1T_RD1.1@103.911,42.505 104.851,42.505 105.893,41.464 105.893,38.583 v1(106.578,37.897)
  Bottom Layer w0.508: v1(106.578,37.897) 106.578,36.932 107.594,35.916 Pines.1@107.594,30.734
Net1T_D1_1: 1T_D1.1 1T_RD1.2 | length 2
  Top Layer w0.508: 1T_D1.1@103.911,38.67 1T_RD1.2@103.911,40.705
Net1T_D2_1: 1T_D2.1 1T_RD2.2 | length 2
  Top Layer w0.508: 1T_D2.1@101.702,38.67 1T_RD2.2@101.702,40.72
Net1T_D3_1: 1T_D3.1 1T_RD3.2 | length 2.1
  Top Layer w0.508: 1T_RD3.2@99.466,40.705 99.466,39.675 99.492,39.649 1T_D3.1@99.492,38.644
Net1T_D4_1: 1T_D4.1 1T_RD4.2 | length 2.1
  Top Layer w0.508: 1T_RD4.2@97.231,40.705 97.231,39.7 97.282,39.649 1T_D4.1@97.282,38.644
Net1T_D5_1: 1T_D5.1 1T_RD5.2 | length 2.1
  Top Layer w0.508: 1T_D5.1@94.971,38.644 1T_RD5.2@94.971,40.705
Net1T_D6_1: 1T_D6.1 1T_RD6.2 | length 2
  Top Layer w0.508: 1T_RD6.2@92.71,40.705 92.71,39.7 92.735,39.675 1T_D6.1@92.735,38.67
Net1T_D7_1: 1T_D7.1 1T_RD7.2 | length 2
  Top Layer w0.508: 1T_D7.1@90.475,38.67 1T_RD7.2@90.475,40.705
Net2T_1: 2T.1 2T_A.2 | length 31.7
  Top Layer w0.508: v1(73.812,70.028) 73.812,56.972 74.93,55.855 2T_A.2@74.93,52.819 ; v1(83.515,68.58) 83.845,68.91 84.569,68.91 85.547,69.888 2T.1@85.547,70.853 ; v1@83.515,68.758 v1@83.668,68.91
  Bottom Layer w0.508: v1(73.812,70.028) 76.759,70.028 78.029,68.758 v1@83.515,68.758
Net2T_2: 2T.2 2T_A.3 | length 78.2
  Top Layer w0.508: 2T_A.3@73.66,52.819 73.66,52.146 74.595,51.211 76.535,51.211 77.216,51.892 77.521,51.892 v1(81.427,55.798) ; 2T.2@84.277,70.853 84.277,72.644 85.573,73.939 v1(85.573,76.403)
  Bottom Layer w0.508: v1(81.427,55.798) 82.779,57.15 91.297,57.15 91.83,56.617 92.777,56.617 93.158,56.998 102.692,56.998 105.359,59.665 105.359,73.914 102.513,76.76 85.93,76.76 v1(85.573,76.403)
Net2T_3: 2T.3 2T_A.4 | length 94.9
  Top Layer w0.508: v1(72.136,54.686) 72.39,54.432 2T_A.4@72.39,52.819 ; 2T.3@83.007,70.853 83.007,73.152 v1(83.642,73.787)
  Bottom Layer w0.508: v1(72.136,54.686) 70.993,53.543 45.72,53.543 41.808,57.455 41.808,62.112 41.478,62.442 41.478,63.389 41.808,63.719 41.808,68.377 46.584,73.152 61.951,73.152 63.551,71.552 82.677,71.552 83.642,72.517 v1(83.642,73.787)
Net2T_4: 2T.4 2T_A.5 | length 96.1
  Top Layer w0.508: v1(71.12,50.927) 2T_A.5@71.12,52.819 ; 2T.4@81.737,70.853 81.737,73.711 v1(81.763,73.736)
  Bottom Layer w0.508: v1(71.12,50.927) 69.932,52.115 57.091,52.115 57.034,52.172 43.409,52.172 41.046,54.534 41.046,61.797 40.716,62.127 40.716,63.705 41.046,64.035 41.046,69.493 46.153,74.6 63.449,74.6 65.634,72.415 68.368,72.415 68.545,72.593 78.154,72.593 78.434,72.314 80.012,72.314 81.434,73.736 v1(81.763,73.736)
Net2T_5: 2T.5 2T_A.6 | length 93.3
  Top Layer w0.508: 2T_A.6@69.85,52.819 v1(69.85,54.686) ; v1(79.223,74.219) 80.467,72.974 2T.5@80.467,70.853
  Bottom Layer w0.508: v1(69.85,54.686) 71.12,55.956 73.406,55.956 75.87,53.492 101.194,53.492 106.121,58.42 106.121,76.2 103.505,78.816 83.82,78.816 v1(79.223,74.219)
Net2T_6: 2T.6 2T_A.7 | length 29.3
  Top Layer w0.508: 2T_A.7@68.58,52.819 68.58,55.194 72.111,58.725 72.111,70.688 74.27,72.847 79.197,72.847 2T.6@79.197,70.853
Net2T_7: 2T.7
Net2T_14: 2T.14 GPIO.7 | length 63.2
  Top Layer w0.508: GPIO.7@54.61,95.885 56.134,94.361 61.595,94.361 71.323,84.633 71.323,59.969 v1(70.739,59.385) ; v1@82.296,63.144 83.007,63.856 2T.14@83.007,66.053
  Bottom Layer w0.508: v1(70.739,59.385) 71.603,60.249 76.77,60.249 77.633,61.112 80.239,61.112 v1@82.283,63.157
  other v1: 82.321,63.195
Net2T_15: 2T.15 2T_A.1 | length 16.6
  Top Layer w0.508: 2T_A.1@76.2,52.819 76.2,54.381 v1(78.13,56.312) v1@78.232,56.312 ; v1(80.518,58.598) 80.518,58.665 84.277,62.424 2T.15@84.277,66.053
  Bottom Layer w0.508: v1@78.232,56.312 v1(80.518,58.598)
Net2T_A_10: 2T_A.10 2T_RD7.1 Pines.14 | length 21.6
  Top Layer w0.508: 2T_A.10@68.58,48.019 68.58,45.071 70.592,43.059 70.598,43.064 70.598,42.531 ; v1(69.977,42.012) 69.977,41.91 70.598,42.531 ; 2T_RD7.1@71.907,42.531 70.598,42.531
  Bottom Layer w0.508: v1@69.748,41.681 69.723,41.656 69.723,35.723 74.574,30.872 Pines.14@74.574,30.734
Net2T_A_11: 2T_A.11 2T_RD6.1 Pines.13 | length 24.6
  Top Layer w0.508: 2T_A.11@69.85,48.019 69.85,46.304 v1@71.247,44.907 ; v1(71.12,44.907) v1@71.247,44.907 ; 2T_RD6.1@74.193,42.531 74.193,42.85 72.136,44.907 v1@71.247,44.907
  Bottom Layer w0.508: v1(71.12,44.907) 73.406,42.621 73.406,34.646 77.114,30.937 Pines.13@77.114,30.734
Net2T_A_12: 2T_A.12 2T_RD5.1 Pines.12 | length 23.4
  Top Layer w0.508: 2T_A.12@71.12,48.019 71.12,47.015 74.27,43.866 v1(76.048,43.866) 76.479,43.434 2T_RD5.1@76.479,42.531
  Bottom Layer w0.508: v1(76.048,43.866) 76.048,34.341 Pines.12@79.654,30.734